# Altium PCB ADV7123_BOARD.PcbDoc
Units mil, origin at the board's own origin, x right, y up, seen from the top; angles counter-clockwise.
Board outline 2760.03 x 1960.03 mil, 2 copper layers (Top Layer, Bottom Layer); 23 components, 42 nets, 152 pads, 20 vias.
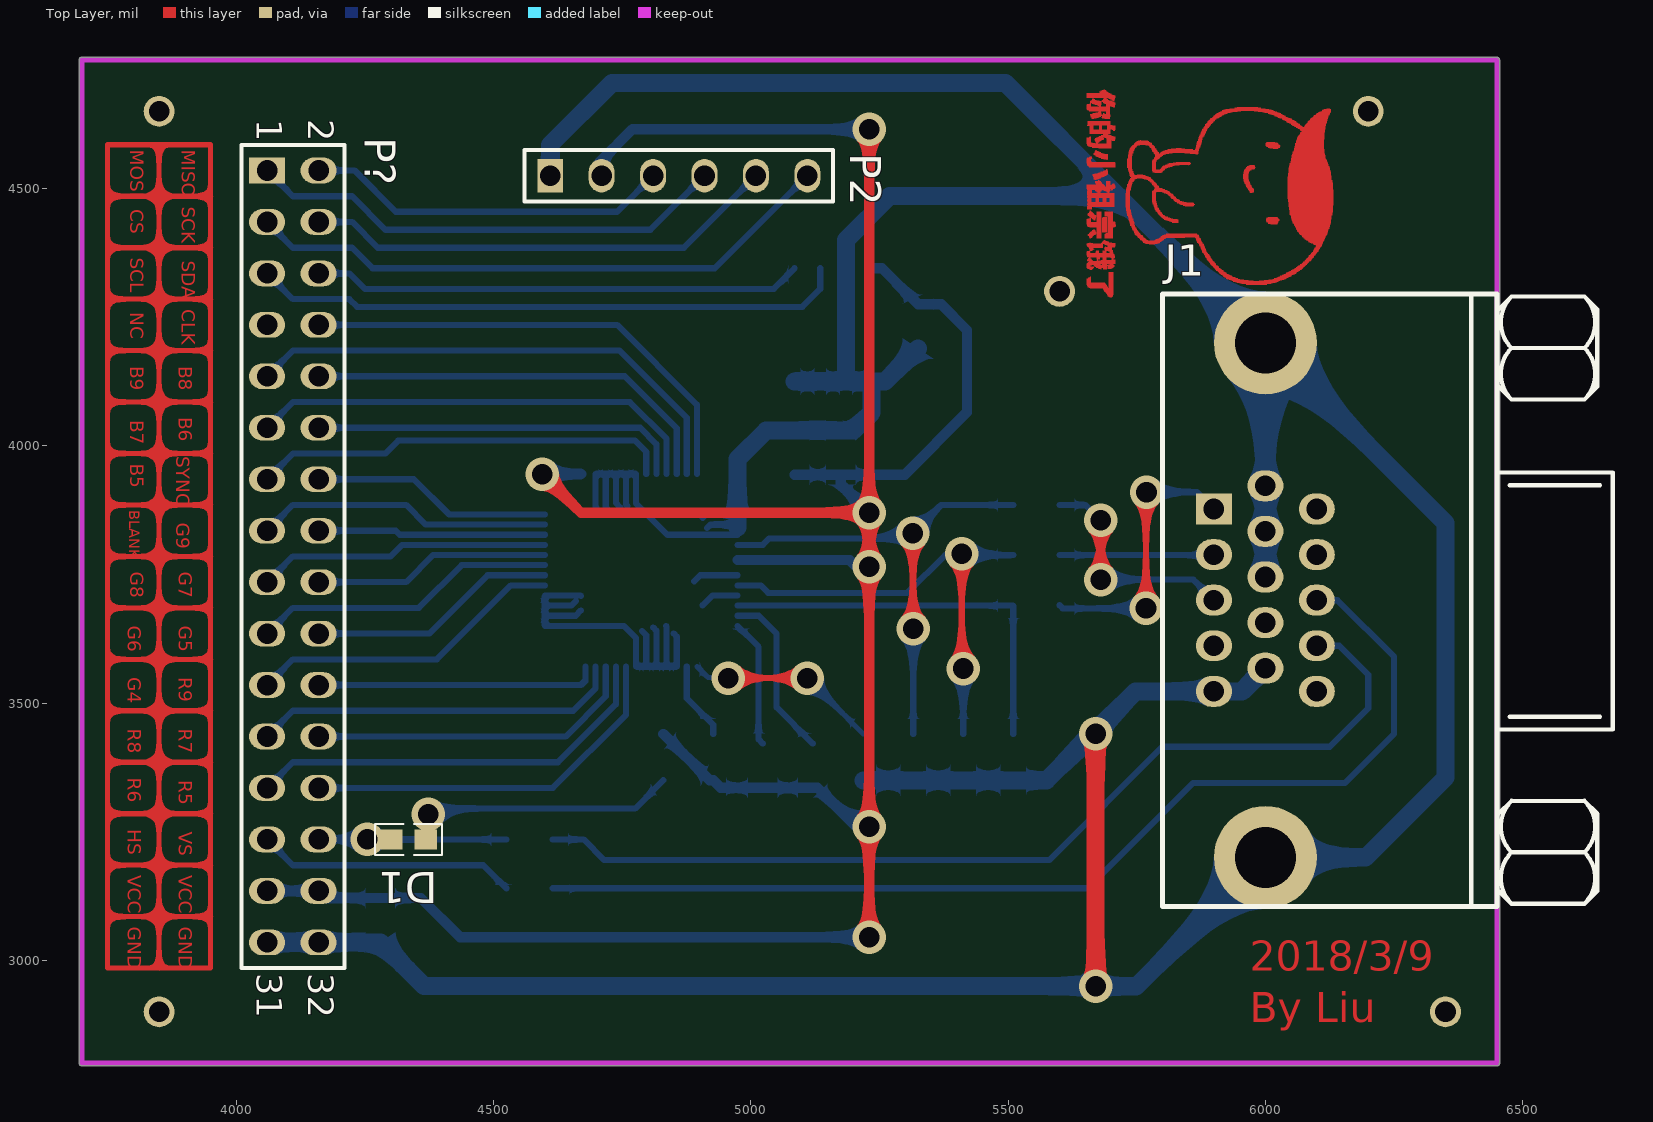
[diagram p0: Top Layer view]
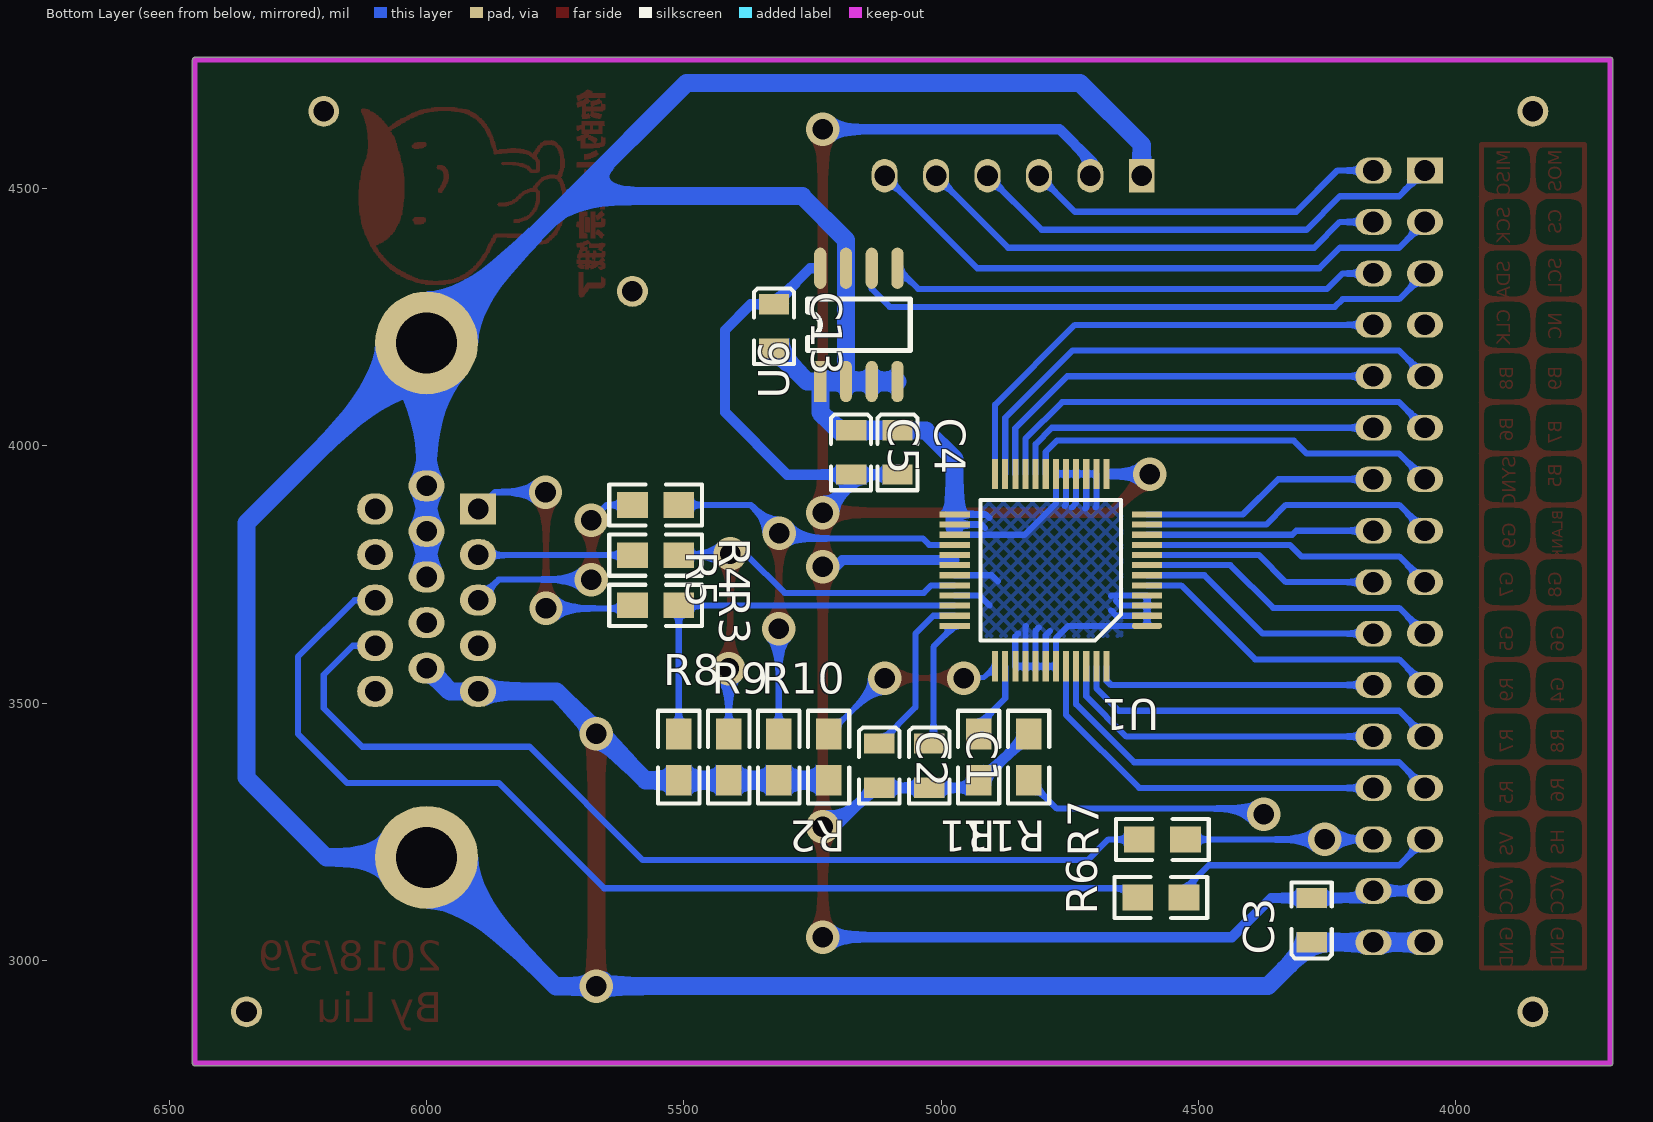
[diagram p1: Bottom Layer view, seen from below]
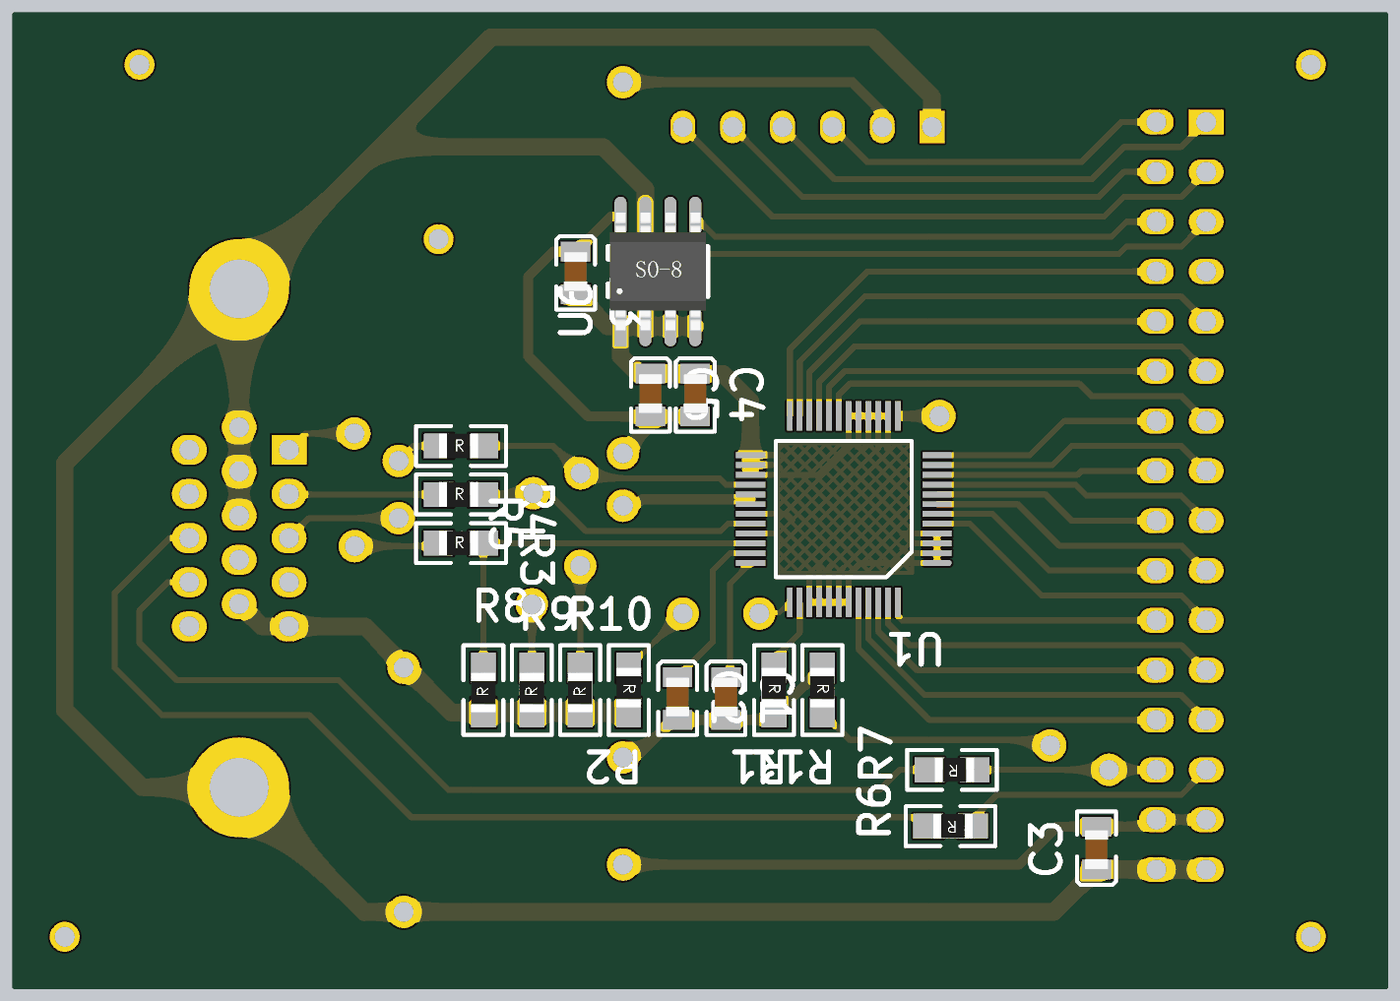
[diagram p2: 3D render of the assembled board from below, using the file's embedded part models]

## Layer stack, top to bottom
Top Solder: solder mask 0.4, Solder Resist, Dk 3.5
Top Layer: signal copper 1.4
Dielectric1: dielectric 12.6, FR-4, Dk 4.8
Bottom Layer: signal copper 1.4
Bottom Solder: solder mask 0.4, Solder Resist, Dk 3.5

## Board outline
3694.99,2800 ccw(c3700,2800) 3700,2794.99 6450,2794.99 ccw(c6450,2800) 6455.02,2800 6455.02,4750 ccw(c6450,4750) 6450,4755.02 3700,4755.02 ccw(c3700,4750) 3694.99,4750

## Design rules (kind name [scope] priority, off if disabled: settings)
Clearance [All] p1: gap=5
PolygonConnect [All] p1: connectstyle=Relief reliefconductorwidth=10 reliefentries=4 polygonreliefangle="90 Angle" airgapwidth=10
RoutingVias [All] p1: holewidth=28 width=50 viastyle="Through Hole" minholewidth=28 minwidth=50 maxholewidth=28 maxwidth=50
SilkToSolderMaskClearance SilkscreenOverComponentPads [IsPad] p1: minsilkscreentomaskgap=10 clearancetoexposedcopper=TRUE
SolderMaskExpansion [All] p1: expansion=4
Width [All] p1: maxlimit=200 minlimit=6 preferedwidth=12
29 further rules are at their usual default settings.

## Components (designator, comment, footprint, x,y, rotation, side; value= is the part's Value field where it differs from the comment)
C1 "CAP" C-0805 5023.22,3421.34 r270 bottom
C2 "CAP" C-0805 5120.37,3421.34 r270 bottom
C3 "CAP" C-0805 4280,3035 r90 bottom
C4 "CAP" C-0805 5085,4030 r270 bottom
C5 "CAP" C-0805 5175,4030 r270 bottom
C13 "Cap" C-0805 5325,4275 r270 bottom
D1 "LED0" 0603-1 4335,3235 r180 top
J1 "D Connector 15" DB15-F 6100,3700 r0 top
P2 "Header 6" HDR1X6 4610,4525 r0 top
P? "Header 16X2" HDR2X16 4060,4535 r270 top
R1 "Res2" 0805 4927.14,3400 r270 bottom
R2 "Res2" 0805 5218.57,3400 r270 bottom
R3 "Res2" 0805 5560,3690 r180 bottom
R4 "Res2" 0805 5560,3787.5 r180 bottom
R5 "Res2" 0805 5560,3885 r180 bottom
R6 "Res2" 0805 4568,3122 r0 bottom
R7 "Res2" 0805 4565,3235 r0 bottom
R8 "Res2" 0805 5510,3390 r90 bottom
R9 "Res2" 0805 5412.86,3390 r90 bottom
R10 "Res2" 0805 5315.71,3390 r90 bottom
R11 "Res2" 0805 4830,3400 r270 bottom
U1 "ADV7123" QFP48 4600,3650 r0 bottom
U6 "24C64" SO-8 5235,4125 r90 bottom

## Footprints (in the part's own frame and the unit in brackets; to place one, negate y for a bottom-side part, rotate by r counter-clockwise, add the part's x,y. Pads: shape width x height; smd on the part's side, far side on the other; paste and mask are expansions set on the pad)
0603-1 [mm] "贴片带丝印"
  rect 1.1x1 smd: 1(-0.85,0) 2(0.85,0)
  silkscreen extent -1.65,-0.76 1.65,0.76, body extent -1.14,-0.38 1.14,0.38, height 1
0805 [mil]
  rect 60x50 smd: 1(-40,0) 2(50,0)
  silkscreen extent -85,-40 95,40, body extent -39,-24 39,29, height 26
C-0805 [mm]
  rect 1x1.5 smd: 1(0,0) 2(2.184,0)
  silkscreen extent -0.79,-0.99 2.96,0.99, body extent 0.02,-0.6 2.02,0.6, height 0.95
DB15-F [mil] "VGAĸ"
  rect 70x60 hole 40: 1(-200,177.16)
  oval 70x60 hole 40: 2(-200,88.58) 3(-200,0) 4(-200,-88.58) 5(-200,-177.16) 6(-100,222.17) 7(-100,133.58) 8(-100,45) 9(-100,-43.58) 10(-100,-132.16) 11(0,177.16) 12(0,88.58) 13(0,0) 14(0,-88.58) 15(0,-177.16)
  round 200 hole 118.11: 16(-100,500) 17(-100,-500)
  silkscreen extent -300,-595 575,596
HDR1X6 [mil] "Connector; Header; 6 Position"
  rect 50x65 hole 40: 1(0,0)
  oval 50x65 hole 40: 2(100,0) 3(200,0) 4(300,0) 5(400,0) 6(500,0)
  silkscreen extent -50,-50 550,50
HDR2X16 [mil] "Connector; Header; 16x2 Position"
  rect 50x70 hole 40: 1(0,0)
  oval 50x70 hole 40: 2(0,100) 3(100,0) 4(100,100) 5(200,0) 6(200,100) 7(300,0) 8(300,100) 9(400,0) 10(400,100) 11(500,0) 12(500,100) 13(600,0) 14(600,100) 15(700,0) 16(700,100) 17(800,0) 18(800,100) 19(900,0) 20(900,100) 21(1000,0) 22(1000,100) 23(1100,0) 24(1100,100) 25(1200,0) 26(1200,100) 27(1300,0) 28(1300,100) 29(1400,0) 30(1400,100) 31(1500,0) 32(1500,100)
  silkscreen extent -50,-50 1550,150
QFP48 [mm]
  oval 1.5x0.3 smd: 1(0,0)
  rect 1.5x0.3 smd: 2(0,-0.5) 3(0,-1) 4(0,-1.5) 5(0,-2) 6(0,-2.5) 7(0,-3) 8(0,-3.5) 9(0,-4) 10(0,-4.5) 11(0,-5) 12(0,-5.5) 25(9.5,-5.5) 26(9.5,-5) 27(9.5,-4.5) 28(9.5,-4) 29(9.5,-3.5) 30(9.5,-3) 31(9.5,-2.5) 32(9.5,-2) 33(9.5,-1.5) 34(9.5,-1) 35(9.5,-0.5) 36(9.5,0)
  rect 0.3x1.5 smd: 13(2,-7.5) 14(2.5,-7.5) 15(3,-7.5) 16(3.5,-7.5) 17(4,-7.5) 18(4.5,-7.5) 19(5,-7.5) 20(5.5,-7.5) 21(6,-7.5) 22(6.5,-7.5) 23(7,-7.5) 24(7.5,-7.5) 37(7.5,2) 38(7,2) 39(6.5,2) 40(6,2) 41(5.5,2) 42(5,2) 43(4.5,2) 44(4,2) 45(3.5,2) 46(3,2) 47(2.5,2) 48(2,2)
  silkscreen extent 1.28,-6.21 8.21,0.72
SO-8 [mil]
  rect 80x24 smd: 1(0,0)
  oval 80x24 smd: 2(0,-50) 3(0,-100) 4(0,-150) 5(220,-150) 6(220,-100) 7(220,-50) 8(220,0)
  silkscreen extent 60,-175 160,25, body extent -8,-171 228,21, height 67

## Part data
C13: "Capacitor"
D1: "Typical INFRARED GaAs LED"
J1: "VGA"
P2: "Header, 6-Pin"
P?: "Header, 16-Pin, Dual row"
R1 R2 R3 R4 R5 R6 R7 R8 R9 R10 R11: "Resistor"
U6: library part EEPROM_24C64

## Free pads (board coordinates)
  round 60 hole 40: 2(3850,4650) 3(6350,2900) 4(3850,2900) 5(5600,4300) 6(6200,4650)

## Via types
v1: diameter 65, hole 40, Top Layer to Bottom Layer, 20 vias

## Nets (pads, with @x,y where several pads share a name; then routed paths per layer and width w, separated by ;. In a path a pad name is that pad's centre, name@x,y a point inside that pad or via, vN(x,y) a via of type N, cw(c..) or ccw(c..) an arc to the next point about the centre after c; other vN are vias at no path point)
B5: P?.13 U1.19 | length 819.8
  Bottom Layer w12: P?.13 4110,3985 4290,3985 4315,4010 4775,4010 4796.85,3988.15 U1.19
B6: P?.12 U1.20 | length 727.8
  Bottom Layer w12: P?.12 4785,4035 4816.54,4003.46 U1.20
B7: P?.11 U1.21 | length 894.9
  Bottom Layer w12: P?.11 4110,4085 4765,4085 4836.22,4013.78 U1.21
B8: P?.10 U1.22 | length 826.5
  Bottom Layer w12: P?.10 4755,4135 4855.91,4034.09 U1.22
B9: P?.9 U1.23 | length 999.5
  Bottom Layer w12: P?.9 4110,4185 4745,4185 4875.59,4054.41 U1.23
BLANK: P?.15 U1.11 | length 576.5
  Bottom Layer w12: P?.15 4110,3885 4330,3885 4368.15,3846.85 U1.11
CLOCK: P?.8 U1.24 | length 934
  Bottom Layer w12: P?.8 4740,4235 4895.28,4079.72 U1.24
CS: P2.6 P?.3 | length 1161.8
  Bottom Layer w12: P?.3 4110,4385 4225,4385 4265,4345 4930,4345 P2.6
G4: P?.21 U1.5 | length 620.2
  Bottom Layer w12: P?.21 4110,3585 4390,3585 4533.74,3728.74 U1.5
G5: P?.20 U1.6 | length 487
  Bottom Layer w12: P?.20 4375,3635 4488.43,3748.43 U1.6
G6: P?.19 U1.7 | length 595.1
  Bottom Layer w12: P?.19 4110,3685 4355,3685 4438.11,3768.11 U1.7
G7: P?.18 U1.8 | length 461.9
  Bottom Layer w12: P?.18 4330,3735 4382.8,3787.8 U1.8
G8: P?.17 U1.9 | length 570
  Bottom Layer w12: P?.17 4110,3785 4300,3785 4322.48,3807.48 U1.9
G9: P?.16 U1.10 | length 443.2
  Bottom Layer w12: P?.16 4310,3835 4317.84,3827.16 U1.10
GND: C3.1 C4.1 C5.1 C13.2 J1.5 J1.6 J1.7 J1.8 J1.10 J1.16 J1.17 P2.1 P?.31 P?.32 R2.2 R8.1 R9.1 R10.1 U1.1 U1.2 U1.3 U1.4 U1.14 U1.15 U1.16 U1.17 U1.18 U1.25 U1.26 U1.27 U1.31 U1.33 U1.39 U1.40 U1.41 U1.42 U1.43 U6.1 U6.2 U6.3 U6.4 U6.7 | length 10425.3
  Top Layer w35: v1(5670,2950) v1(5670,3440)
  Bottom Layer w12: 4660,3698.33 4651.04,3689.37 U1.3 ; 4669.95,3680 4659.63,3669.68 U1.2 ; 4670,3708.33 4669.28,3709.05 U1.4 U1.3 ; 4700.24,3880 4698.43,3881.82 U1.14 U1.15 ; 4720,3878.42 4718.11,3880.31 U1.15 ; 4746.7,3880 4737.8,3888.91 U1.16 ; 4760,3883.19 4757.48,3885.71 U1.17 ; 4788.71,3640 4796.85,3631.86 U1.42 ; 4810,3647 4816.54,3640.46 U1.41 ; 4835.28,3650 4836.22,3649.06 U1.40 ; 4850,3635.28 4855.91,3629.38 U1.39 U1.40 ; 4890,3736.7 4901.72,3748.43 U1.31 ; 4906.22,3690 4925.28,3709.05 U1.33 ; 4906.52,3860 4913.05,3866.53 U1.25 ; 4914.8,3840 4921.65,3846.85 U1.26 ; U1.27 4837.84,3827.16 4777.17,3887.83 U1.18 U1.17 ; U1.2 U1.1 4753.09,3650 4777.17,3625.92 U1.43 U1.42 ; U1.2 U1.3 ; U1.15 U1.16 ; U1.16 U1.17 ; U1.42 U1.41 ; U1.41 U1.40
  Bottom Layer w35: P?.31 P?.32 C3.1 4365,2950 5645,2950 5656,2961 5668,2949 5669,2950 v1(5670,2950) 5748,2950 5749,2949 J1.17 6195,3200 6350,3355 6350,3850 J1.16 ; P2.1 4610,4585 4730,4705 5495,4705 5715,4485 ; U1.26@4974.02,3840.98 U1.26 U1.25 4974.02,3974.02 5030,4030 C4.1 C5.1 5200,4030 5235,4065 U6.1 ; U6.4 U6.3 U6.2 ; R2.2 R8.1 5575,3350 5665,3440 v1(5670,3440) 5670,3445 5747.84,3522.84 J1.5 5955,3522.84 J1.10 ; C13.2 5261,4125 U6.1 ; J1.8 J1.7 J1.6 J1.16 ; U6.2 U6.7 5185,4400 5270,4485 5715,4485 ; U6.2 U6.1 ; 5715,4485 J1.16
HS: P?.27 R6.1 | length 504.4
  Bottom Layer w12: P?.27 4110,3185 4480,3185 R6.1@4525,3140
MISO: P2.3 P?.2 | length 712.1
  Bottom Layer w12: P?.2 4230,4535 4310,4455 4740,4455 P2.3
MOSI: P2.4 P?.1 | length 941.1
  Bottom Layer w12: P?.1 4110,4485 4225,4485 4290,4420 4805,4420 P2.4
NetC1_1: C1.1 U1.36 | length 249
  Bottom Layer w12: U1.36 5015,3609.02 5015,3429.56 C1.1
NetC2_1: C2.1 U1.35 | length 333.2
  Bottom Layer w12: U1.35 5015.31,3669.68 5050,3635 5050,3491.7 C2.1
NetD1_1: D1.1 R11.2 | length 484.3
  Bottom Layer w12: v1(4373,3284) 4379,3284 4390,3295 4775,3295 R11.2
NetJ1_1: J1.1 R3.1 | length 541.5
  Top Layer w12: v1(5768,3684) 5768,3909 v1(5769,3910)
  Bottom Layer w12: R3.1 5606,3684 v1(5768,3684) ; v1(5769,3910) 5867.16,3910 J1.1
NetJ1_2: J1.2 R4.1 | length 300.4
  Bottom Layer w12: R4.1 5898.92,3787.5 J1.2
NetJ1_3: J1.3 R5.1 | length 444
  Top Layer w12: v1(5680,3740) v1(5680,3855)
  Bottom Layer w12: R5.1 5650,3885 v1(5680,3855) ; v1(5680,3740) 5860,3740 J1.3
NetJ1_13: J1.13 R6.2 | length 2104.8
  Bottom Layer w12: R6.2@4615,3140 5655,3140 5860,3345 6155,3345 6250,3440 6250,3590 6140,3700 J1.13
NetJ1_14: J1.14 R7.2 | length 1912.1
  Bottom Layer w12: R7.2 4675,3235 4715,3195 5580,3195 5800,3415 6125,3415 6200,3490 6200,3555 6143.58,3611.42 J1.14
NetR1_1: R1.1 U1.38 | length 152.6
  Bottom Layer w12: U1.38 4875.59,3509.41 4927.14,3457.86 R1.1
NetR2_1: R2.1 U1.37 | length 394.1
  Top Layer w10: v1(4956.43,3548.57) v1(5110,3548.57) v1@5110,3565
  Bottom Layer w10: U1.37 4916.53,3550 4955,3550 v1(4956.43,3548.57) ; v1(5110,3548.57) R2.1
NetR3_2: R3.2 R8.2 U1.34 | length 785
  Bottom Layer w12: U1.34 5509.37,3689.37 5510,3688.74 R8.2
NetR4_2: R4.2 R9.2 U1.32 | length 926.2
  Top Layer w12: v1(5410,3790) 5410,3570 v1(5412.86,3567.14)
  Bottom Layer w12: U1.32 5019.26,3728.74 5034,3714 5304,3714 5377.5,3787.5 v1@5410,3787.5 ; v1(5410,3790) v1@5410,3787.5 ; R9.2 v1(5412.86,3567.14) ; R4.2 v1@5410,3787.5
NetR5_2: R5.2 R10.2 U1.28 | length 958.4
  Top Layer w12: v1(5315,3830) 5315,3645 v1(5315.71,3644.29)
  Bottom Layer w12: U1.28 5023.48,3807.48 5036,3820 5305,3820 v1(5315,3830) 5370,3885 R5.2 ; R10.2 v1(5315.71,3644.29)
R5: P?.26 U1.44 | length 750.3
  Bottom Layer w12: P?.26 4615,3335 4757.48,3477.48 U1.44
R6: P?.25 U1.45 | length 818.7
  Bottom Layer w12: P?.25 4110,3385 4625,3385 4737.8,3497.8 U1.45
R7: P?.24 U1.46 | length 648.6
  Bottom Layer w12: P?.24 4640,3435 4718.11,3513.11 U1.46
R8: P?.23 U1.47 | length 720
  Bottom Layer w12: P?.23 4110,3485 4655,3485 4698.43,3528.43 U1.47
R9: P?.22 U1.48 | length 549.9
  Bottom Layer w12: P?.22 4670,3535 4678.74,3543.74 U1.48
SCK: P2.5 P?.4 | length 928.7
  Bottom Layer w12: P?.4 4225,4435 4275,4385 4870,4385 P2.5
SCL: P?.5 U6.6 | length 1156.4
  Bottom Layer w12: P?.5 4110,4285 4220,4285 4235,4270 5100,4270 5135,4305 U6.6
SDA: P?.6 U6.5 | length 954
  Bottom Layer w12: P?.6 4220,4335 4250,4305 5045,4305 U6.5
SYNC: P?.14 U1.12 | length 468.4
  Bottom Layer w12: P?.14 4345,3935 4413.47,3866.53 U1.12
VCC: C1.2 C2.2 C3.2 C4.2 C5.2 C13.1 P2.2 P?.29 P?.30 R1.2 R11.1 U1.13 U1.29 U1.30 U6.8 | length 5715
  Top Layer w20: v1(4595,3945) 4670,3870 v1(5230,3870) ; v1(5230,3045) v1(5230,3260) v1(5230,3765) 5235,3770 5230,3775 v1(5230,3870) ; v1(5230,4615) 5235,4610 5230,4605 v1(5230,3870)
  Bottom Layer w20: P?.29 P?.30 4174,3121 C3.2 4359,3121 4435,3045 v1(5230,3045) ; v1(4595,3945) 4671,3945 ; P2.2 4710,4555 4770,4615 v1(5230,4615) ; R11.1 4920,3350 R1.2 4941.8,3335.34 C1.2 C2.2 5129.66,3335.34 5205,3260 v1(5230,3260) ; 4974.02,3777.95 5192.05,3777.95 5205,3765 v1(5230,3765) ; C4.2 C5.2 ; v1(5230,3870) 5175,3925 C5.2 ; U6.8 5255,4345 C13.1 5370,4275 5420,4225 5420,4065 5299,3944 C5.2
VS: D1.2 P?.28 R7.1 | length 411.5
  Top Layer w12: v1(4255,3235) D1.2
  Bottom Layer w12: P?.28 v1(4255,3235) R7.1
pads on no net: J1.4 J1.9 J1.11 J1.12 J1.15 P?.7
copper on no net: | length 8200
  Top Layer w10: 3750,3085 3950,3085 ; 3750,3185 3950,3185 ; 3750,3285 3950,3285 ; 3750,3385 3950,3385 ; 3750,3485 3950,3485 ; 3750,3585 3950,3585 ; 3750,3685 3950,3685 ; 3750,3785 3950,3785 ; 3750,3885 3950,3885 ; 3750,3985 3950,3985 ; 3750,4085 3950,4085 ; 3750,4185 3950,4185 ; 3750,4285 3950,4285 ; 3750,4385 3950,4385 ; 3750,4485 3950,4485 ; 3850,2985 3850,4585 ; 3750,2985 3950,2985 3950,4585 3750,4585 3750,2985

## Polygon pours and split planes (outlines as drawn)
GND on Bottom Layer "Bottom Layer-No Net" (hatched 45Degree grid 20 track 8, pour order 4): 4650,3890 4920,3890 4920,3630 4650,3630

## Keep-outs
Keep-Out Layer:
  lines w10: 3700,2800 6450,2800 6450,4750 3700,4750 3700,2800

## Other copper
Top Layer:
  drawing of 19 lines, arcs and shapes, not listed
  text "MOSI" at 3785,4575 h45 r270
  text "MISO" at 3885,4575 h45 r270
  text "SCK" at 3885,4465 h45 r270
  text "CS" at 3785,4460 h45 r270
  text "SCL" at 3785,4365 h45 r270
  text "SDA" at 3885,4360 h45 r270
  text "CLK" at 3885,4265 h45 r270
  text "NC" at 3785,4260 h45 r270
  text "B9" at 3785,4155 h45 r270
  text "B8" at 3880,4155 h45 r270
  text "B6" at 3880,4055 h45 r270
  text "B7" at 3785,4050 h45 r270
  text "SYNC" at 3875,3980 h45 r270
  text "B5" at 3785,3965 h45 r270
  text "BLANK" at 3785,3875 h35 r270
  text "G9" at 3875,3850 h45 r270
  text "G8" at 3785,3755 h45 r270
  text "G7" at 3880,3755 h45 r270
  text "G6" at 3780,3650 h45 r270
  text "G5" at 3880,3650 h45 r270
  text "G4" at 3780,3550 h45 r270
  text "R9" at 3880,3550 h45 r270
  text "R8" at 3780,3450 h45 r270
  text "R7" at 3880,3450 h45 r270
  text "R6" at 3780,3355 h45 r270
  text "R5" at 3880,3350 h45 r270
  text "HS" at 3780,3255 h45 r270
  text "VS" at 3880,3250 h45 r270
  text "VCC" at 3780,3165 h45 r270
  text "VCC" at 3880,3165 h45 r270
  text "GND" at 3780,3065 h45 r270
  text "GND" at 3880,3065 h45 r270
  text "2018/3/9 / By Liu" at 5970,2860 h100

## Text inside footprints (layer, text, board x,y; h text height)
P?: Top Overlay "2" at 4140,4635 h50 r270; Top Overlay "1" at 4040,4635 h50 r270; Top Overlay "31" at 4040,2975 h50 r270; Top Overlay "32" at 4140,2975 h50 r270